# Altium PCB amp.PcbDoc (part 13 of 20) (continued)
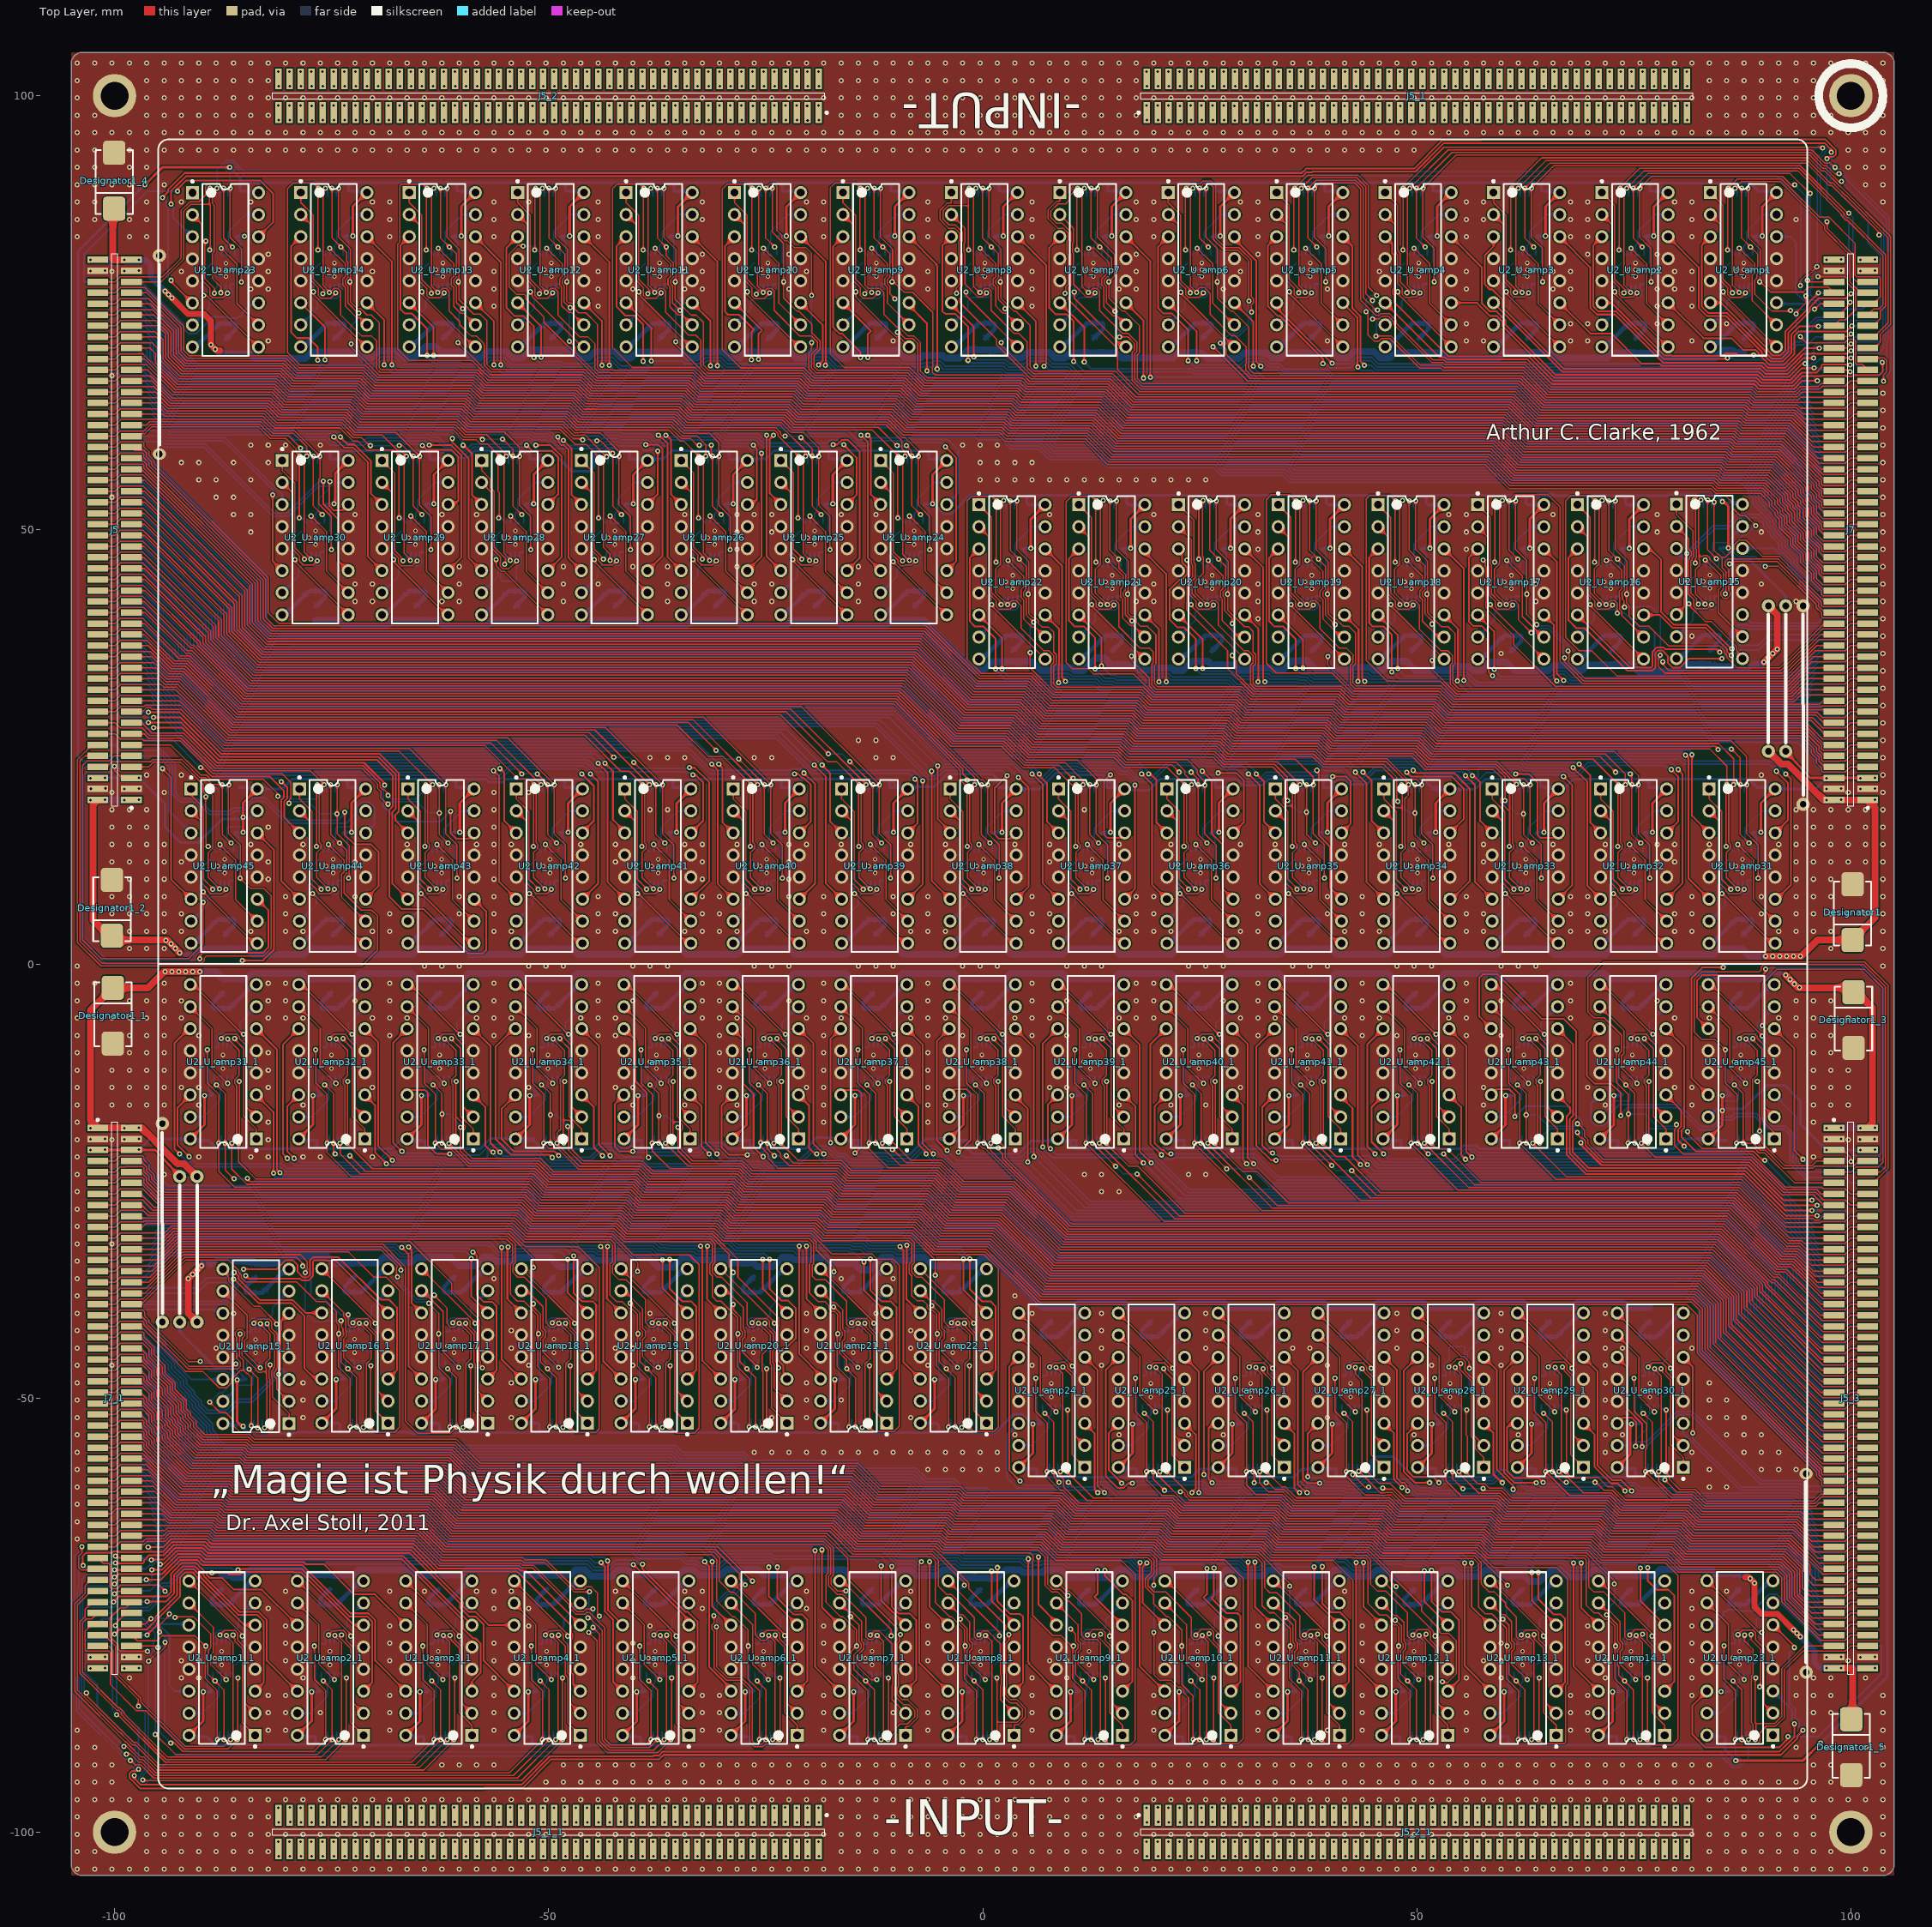
[diagram p0: Top Layer view]
## Nets (pads, with @x,y where several pads share a name; then routed paths per layer and width w, separated by ;. In a path a pad name is that pad's centre, name@x,y a point inside that pad or via, vN(x,y) a via of type N, cw(c..) or ccw(c..) an arc to the next point about the centre after c; other vN are vias at no path point) (continued)
  Bottom Layer w0.15: R1_U_amp11.7@-37.489,88.455 -37.489,89.348 v1(-37.485,89.352) ; v1(-36.469,82.596) -36.215,82.342 U1_U_amp11.13@-36.215,81.605 ; v1(-35.382,71.679) -35.363,71.698 -35.363,76.321 -34.874,76.81 v1(-34.874,75.286) ; v1(34.874,-75.286) 34.874,-76.81 35.363,-76.321 35.363,-71.698 v1(35.382,-71.679) ; U1_U_amp11_1.13@36.215,-81.605 36.215,-82.342 v1(36.469,-82.596) ; v1(37.485,-89.352) 37.489,-89.348 R1_U_amp11_1.7@37.489,-88.455
NetJ7_53: J7.53 J7_1.53 R1_U_amp11.6 R1_U_amp11_1.6 U1_U_amp11.5 U1_U_amp11_1.5 | length 339.2
  Top Layer w0.15: J7_1.53@-101.95,-51.905 -99.938,-51.905 -99.343,-51.31 -96.757,-51.31 -96.037,-52.029 -96.037,-52.451 -96.025,-52.463 -96.025,-52.885 -95.425,-53.485 -95.425,-53.906 -94.825,-54.506 -94.825,-54.928 -94.225,-55.528 -94.225,-55.532 -91.362,-58.395 -86.19,-58.395 -85.612,-58.974 -62.339,-58.974 -59.591,-61.723 -16.124,-61.723 -13.446,-64.401 -4.28,-64.401 -3.572,-65.108 7.365,-65.108 9.158,-66.902 19.671,-66.902 20.821,-68.051 31.652,-68.051 32.487,-68.886 32.487,-71.857 33.071,-72.441 33.884,-72.441 36.514,-75.072 36.514,-77.505 36.822,-77.812 37.257,-77.812 37.625,-77.444 37.789,-77.444 38.526,-78.181 38.526,-89.073 v1(38.247,-89.352) ; v1(-38.247,89.352) -38.526,89.073 -38.526,78.181 -37.789,77.444 -37.625,77.444 -37.257,77.812 -36.822,77.812 -36.514,77.505 -36.514,75.072 -33.884,72.441 -33.071,72.441 -32.487,71.857 -32.487,68.886 -31.652,68.051 -20.821,68.051 -19.671,66.902 -9.158,66.902 -7.365,65.108 3.572,65.108 4.28,64.401 13.446,64.401 16.124,61.723 59.591,61.723 62.339,58.974 85.612,58.974 86.19,58.395 91.362,58.395 94.225,55.532 94.225,55.528 94.825,54.928 94.825,54.506 95.425,53.906 95.425,53.485 96.025,52.885 96.025,52.463 96.037,52.451 96.037,52.029 96.757,51.31 99.343,51.31 99.938,51.905 J7.53@101.95,51.905
  Bottom Layer w0.15: v1(-38.247,89.352) -37.989,89.094 R1_U_amp11.6@-37.989,88.455 ; v1(-37.789,77.338) -37.715,77.413 U1_U_amp11.5@-37.715,78.305 ; U1_U_amp11_1.5@37.715,-78.305 37.715,-77.413 v1(37.789,-77.338) ; R1_U_amp11_1.6@37.989,-88.455 37.989,-89.094 v1(38.247,-89.352)
NetJ7_54: J7.54 J7_1.54 R1_U_amp11.8 R1_U_amp11_1.8 U1_U_amp11.1 U1_U_amp11_1.1 | length 324.8
  Top Layer w0.15: J7_1.54@-98.05,-51.905 -97.008,-51.905 -96.325,-52.588 -96.325,-53.009 -95.725,-53.609 -95.725,-54.03 -95.125,-54.63 -95.125,-55.052 -94.525,-55.652 -94.525,-55.657 -91.486,-58.695 -86.315,-58.695 -85.736,-59.274 -62.464,-59.274 -59.715,-62.023 -16.248,-62.023 -13.57,-64.701 -4.404,-64.701 -3.697,-65.408 7.24,-65.408 9.034,-67.202 19.547,-67.202 20.696,-68.351 31.527,-68.351 32.187,-69.011 32.187,-73.919 32.995,-74.727 33.573,-74.727 35.427,-76.581 v1(35.427,-78.557) 35.352,-78.632 35.352,-82.327 36.739,-83.713 36.739,-89.336 v1(36.723,-89.352) ; v1(-36.723,89.352) -36.739,89.336 -36.739,83.713 -35.352,82.327 -35.352,78.632 v1(-35.427,78.557) -35.427,76.581 -33.573,74.727 -32.995,74.727 -32.187,73.919 -32.187,69.011 -31.527,68.351 -20.696,68.351 -19.547,67.202 -9.034,67.202 -7.24,65.408 3.697,65.408 4.404,64.701 13.57,64.701 16.248,62.023 59.715,62.023 62.464,59.274 85.736,59.274 86.315,58.695 91.486,58.695 94.525,55.657 94.525,55.652 95.125,55.052 95.125,54.63 95.725,54.03 95.725,53.609 96.325,53.009 96.325,52.588 97.008,51.905 J7.54@98.05,51.905
  Bottom Layer w0.15: R1_U_amp11.8@-36.989,88.455 -36.989,88.959 -36.723,89.225 v1(-36.723,89.352) ; U1_U_amp11.1@-35.565,79.205 -35.427,79.068 v1(-35.427,78.557) ; v1(35.427,-78.557) 35.427,-79.068 U1_U_amp11_1.1@35.565,-79.205 ; v1(36.723,-89.352) 36.723,-89.225 36.989,-88.959 R1_U_amp11_1.8@36.989,-88.455
NetJ7_55: J7.55 J7_1.55 R1_U_amp10.5 R1_U_amp10_1.5 U1_U_amp10.9 U1_U_amp10_1.9 | length 344.5
  Top Layer w0.15: J7_1.55@-101.95,-53.175 -99.938,-53.175 -99.343,-52.58 -96.757,-52.58 -96.625,-52.712 -96.625,-53.133 -96.025,-53.733 -96.025,-54.155 -95.425,-54.755 -95.425,-55.176 -94.825,-55.776 -94.825,-55.781 -91.61,-58.995 -86.439,-58.995 -85.86,-59.574 -62.588,-59.574 -59.839,-62.323 -16.372,-62.323 -13.694,-65.001 -4.529,-65.001 -3.821,-65.708 7.116,-65.708 8.91,-67.502 19.423,-67.502 20.572,-68.651 27.884,-68.651 29.992,-70.759 29.992,-89.268 29.435,-89.825 27.017,-89.825 v1(26.544,-89.352) 26.62,-89.276 v1(26.62,-82.24) ; v1(-26.62,82.24) -26.62,89.276 v1(-26.544,89.352) -27.017,89.825 -29.435,89.825 -29.992,89.268 -29.992,70.759 -27.884,68.651 -20.572,68.651 -19.423,67.502 -8.91,67.502 -7.116,65.708 3.821,65.708 4.529,65.001 13.694,65.001 16.372,62.323 59.839,62.323 62.588,59.574 85.86,59.574 86.439,58.995 91.61,58.995 94.825,55.781 94.825,55.776 95.425,55.176 95.425,54.755 96.025,54.155 96.025,53.733 96.625,53.133 96.625,52.712 96.757,52.58 99.343,52.58 99.938,53.175 J7.55@101.95,53.175
  Bottom Layer w0.15: v1(-26.62,82.24) -26.359,82.24 U1_U_amp10.9@-25.724,81.605 ; v1(-26.544,89.352) -25.998,88.807 R1_U_amp10.5@-25.998,88.455 ; U1_U_amp10_1.9@25.724,-81.605 26.359,-82.24 v1(26.62,-82.24) ; R1_U_amp10_1.5@25.998,-88.455 25.998,-88.807 v1(26.544,-89.352)
NetJ7_56: J7.56 J7_1.56 R1_U_amp10.7 R1_U_amp10_1.7 U1_U_amp10.13 U1_U_amp10_1.13 | length 319.5
  Top Layer w0.15: J7_1.56@-98.05,-53.175 -97.008,-53.175 -96.832,-53.35 -96.832,-53.474 -96.757,-53.55 -96.633,-53.55 -96.325,-53.858 -96.325,-54.279 -95.725,-54.879 -95.725,-55.3 -95.125,-55.9 -95.125,-55.905 -91.735,-59.295 -86.563,-59.295 -85.984,-59.874 -62.712,-59.874 -59.964,-62.623 -16.496,-62.623 -13.818,-65.301 -4.653,-65.301 -3.945,-66.008 6.992,-66.008 8.786,-67.802 19.299,-67.802 20.023,-68.526 20.023,-70.376 19.71,-70.688 v1(19.71,-71.577) ; v1(-23.978,82.596) -24.994,83.612 v1(-24.994,89.352) -24.975,89.352 -24.45,89.877 -24.015,89.877 -23.707,89.57 -23.707,84.502 -23.132,83.926 -23.132,83.623 -22.824,83.316 -22.533,83.316 -21.742,82.525 -20.396,82.525 -19.71,81.839 v1(-19.71,76.987) ; v1(-19.71,71.577) -19.71,70.688 -20.023,70.376 -20.023,68.526 -19.299,67.802 -8.786,67.802 -6.992,66.008 3.945,66.008 4.653,65.301 13.818,65.301 16.496,62.623 59.964,62.623 62.712,59.874 85.984,59.874 86.563,59.295 91.735,59.295 95.125,55.905 95.125,55.9 95.725,55.3 95.725,54.879 96.325,54.279 96.325,53.858 96.633,53.55 96.757,53.55 96.832,53.474 96.832,53.35 97.008,53.175 J7.56@98.05,53.175 ; v1(19.71,-76.987) 19.71,-81.839 20.396,-82.525 21.742,-82.525 22.533,-83.316 22.824,-83.316 23.132,-83.623 23.132,-83.926 23.707,-84.502 23.707,-89.57 24.015,-89.877 24.45,-89.877 24.975,-89.352 v1(24.994,-89.352) 24.994,-83.612 v1(23.978,-82.596)
  Bottom Layer w0.15: R1_U_amp10.7@-24.998,88.455 -24.998,89.348 v1(-24.994,89.352) ; v1(-23.978,82.596) -23.724,82.342 U1_U_amp10.13@-23.724,81.605 ; v1(-19.71,71.577) -19.71,76.581 -19.558,76.733 -19.761,76.937 v1(-19.71,76.987) ; v1(19.71,-76.987) 19.761,-76.937 19.558,-76.733 19.71,-76.581 v1(19.71,-71.577) ; U1_U_amp10_1.13@23.724,-81.605 23.724,-82.342 v1(23.978,-82.596) ; v1(24.994,-89.352) 24.998,-89.348 R1_U_amp10_1.7@24.998,-88.455
NetJ7_57: J7.57 J7_1.57 R1_U_amp10.6 R1_U_amp10_1.6 U1_U_amp10.5 U1_U_amp10_1.5 | length 312.8
  Top Layer w0.15: J7_1.57@-101.95,-54.445 -99.987,-54.445 -99.392,-53.85 -96.757,-53.85 -96.625,-53.982 -96.625,-54.403 -96.025,-55.003 -96.025,-55.425 -95.425,-56.025 -95.425,-56.029 -91.859,-59.595 -86.687,-59.595 -86.109,-60.174 -62.836,-60.174 -60.088,-62.923 -16.621,-62.923 -13.943,-65.601 -4.777,-65.601 -4.069,-66.308 6.868,-66.308 8.661,-68.102 19.174,-68.102 19.723,-68.651 19.723,-70.238 19.033,-70.928 19.033,-71.642 19.73,-72.339 21.079,-72.339 24.024,-75.284 24.024,-77.505 24.332,-77.812 24.825,-77.812 25.193,-77.444 25.299,-77.444 25.974,-78.119 25.974,-80.152 25.789,-80.337 25.789,-89.319 v1(25.756,-89.352) ; v1(-25.756,89.352) -25.789,89.319 -25.789,80.337 -25.974,80.152 -25.974,78.119 -25.299,77.444 -25.193,77.444 -24.825,77.812 -24.332,77.812 -24.024,77.505 -24.024,75.284 -21.079,72.339 -19.73,72.339 -19.033,71.642 -19.033,70.928 -19.723,70.238 -19.723,68.651 -19.174,68.102 -8.661,68.102 -6.868,66.308 4.069,66.308 4.777,65.601 13.943,65.601 16.621,62.923 60.088,62.923 62.836,60.174 86.109,60.174 86.687,59.595 91.859,59.595 95.425,56.029 95.425,56.025 96.025,55.425 96.025,55.003 96.625,54.403 96.625,53.982 96.757,53.85 99.392,53.85 99.987,54.445 J7.57@101.95,54.445
  Bottom Layer w0.15: v1(-25.756,89.352) -25.67,89.266 -25.67,88.996 -25.573,88.899 -25.573,88.53 R1_U_amp10.6@-25.498,88.455 ; v1(-25.299,77.338) -25.262,77.376 -25.262,78.268 U1_U_amp10.5@-25.224,78.305 ; U1_U_amp10_1.5@25.224,-78.305 25.262,-78.268 25.262,-77.376 v1(25.299,-77.338) ; R1_U_amp10_1.6@25.498,-88.455 25.573,-88.53 25.573,-88.899 25.67,-88.996 25.67,-89.266 v1(25.756,-89.352)
NetJ7_58: J7.58 J7_1.58 R1_U_amp10.8 R1_U_amp10_1.8 U1_U_amp10.1 U1_U_amp10_1.1 | length 301.8
  Top Layer w0.15: J7_1.58@-98.05,-54.445 -98.88,-54.445 -99.15,-54.715 -99.126,-54.74 -96.713,-54.74 -96.325,-55.128 -96.325,-55.549 -95.725,-56.149 -95.725,-56.154 -91.983,-59.895 -86.812,-59.895 -86.233,-60.474 -62.961,-60.474 -60.212,-63.223 -16.745,-63.223 -14.067,-65.901 -4.901,-65.901 -4.194,-66.608 6.743,-66.608 8.537,-68.402 19.05,-68.402 19.423,-68.775 19.423,-70.114 18.733,-70.804 18.733,-71.767 19.696,-72.73 19.696,-73.714 21.158,-75.175 21.375,-75.175 22.937,-76.737 v1(22.937,-78.557) 22.937,-83.004 24.232,-84.299 v1(24.232,-89.352) ; v1(-24.232,89.352) -24.232,84.299 -22.937,83.004 v1(-22.937,78.557) -22.937,76.737 -21.375,75.175 -21.158,75.175 -19.696,73.714 -19.696,72.73 -18.733,71.767 -18.733,70.804 -19.423,70.114 -19.423,68.775 -19.05,68.402 -8.537,68.402 -6.743,66.608 4.194,66.608 4.901,65.901 14.067,65.901 16.745,63.223 60.212,63.223 62.961,60.474 86.233,60.474 86.812,59.895 91.983,59.895 95.725,56.154 95.725,56.149 96.325,55.549 96.325,55.128 96.713,54.74 99.126,54.74 99.15,54.715 98.88,54.445 J7.58@98.05,54.445
  Bottom Layer w0.15: R1_U_amp10.8@-24.498,88.455 -24.498,88.705 -24.319,88.885 -24.319,89.266 v1(-24.232,89.352) ; U1_U_amp10.1@-23.074,79.205 -22.982,79.205 -22.937,79.16 v1(-22.937,78.557) ; v1(22.937,-78.557) 22.937,-79.16 22.982,-79.205 U1_U_amp10_1.1@23.074,-79.205 ; v1(24.232,-89.352) 24.319,-89.266 24.319,-88.885 24.498,-88.705 R1_U_amp10_1.8@24.498,-88.455
NetJ7_59: J7.59 J7_1.59 R1_U_amp9.5 R1_U_amp9_1.5 U1_U_amp9.9 U1_U_amp9_1.9 | length 317.6
  Top Layer w0.15: J7_1.59@-101.95,-55.715 -99.938,-55.715 -99.343,-55.12 -96.757,-55.12 -96.625,-55.252 -96.625,-55.673 -96.025,-56.273 -96.025,-56.278 -92.107,-60.195 -86.936,-60.195 -86.357,-60.774 -63.085,-60.774 -60.337,-63.523 -16.869,-63.523 -14.191,-66.201 -5.026,-66.201 -4.318,-66.908 6.619,-66.908 8.413,-68.702 15.946,-68.702 17.572,-70.327 17.572,-89.388 17.018,-89.941 14.643,-89.941 v1(14.054,-89.352) 14.13,-89.276 v1(14.13,-82.24) ; v1(-14.13,82.24) -14.13,89.276 v1(-14.054,89.352) -14.643,89.941 -17.018,89.941 -17.572,89.388 -17.572,70.327 -15.946,68.702 -8.413,68.702 -6.619,66.908 4.318,66.908 5.026,66.201 14.191,66.201 16.869,63.523 60.337,63.523 63.085,60.774 86.357,60.774 86.936,60.195 92.107,60.195 96.025,56.278 96.025,56.273 96.625,55.673 96.625,55.252 96.757,55.12 99.343,55.12 99.938,55.715 J7.59@101.95,55.715
  Bottom Layer w0.15: v1(-14.13,82.24) -13.869,82.24 U1_U_amp9.9@-13.234,81.605 ; v1(-14.054,89.352) -13.508,88.807 R1_U_amp9.5@-13.508,88.455 ; U1_U_amp9_1.9@13.234,-81.605 13.869,-82.24 v1(14.13,-82.24) ; R1_U_amp9_1.5@13.508,-88.455 13.508,-88.807 v1(14.054,-89.352)
NetJ7_60: J7.60 J7_1.60 R1_U_amp9.7 R1_U_amp9_1.7 U1_U_amp9.13 U1_U_amp9_1.13 | length 273.7
  Top Layer w0.15: J7_1.60@-98.05,-55.715 -97.008,-55.715 -96.325,-56.398 -96.325,-56.402 -92.232,-60.495 -87.06,-60.495 -86.481,-61.074 -63.209,-61.074 -60.461,-63.823 -16.994,-63.823 -14.316,-66.501 -5.15,-66.501 -4.442,-67.208 6.495,-67.208 7.506,-68.22 7.506,-71.474 8.077,-72.045 8.885,-72.045 8.917,-72.014 9.739,-72.836 v1(9.804,-72.771) ; v1(-12.504,89.352) -12.504,83.612 v1(-11.488,82.596) -10.672,81.78 -10.672,79.148 -10.972,78.848 -10.972,78.34 -10.672,78.04 -10.672,77.169 v1(-10.109,76.606) ; v1(-9.804,72.771) -9.739,72.836 -8.917,72.014 -8.885,72.045 -8.077,72.045 -7.506,71.474 -7.506,68.22 -6.495,67.208 4.442,67.208 5.15,66.501 14.316,66.501 16.994,63.823 60.461,63.823 63.209,61.074 86.481,61.074 87.06,60.495 92.232,60.495 96.325,56.402 96.325,56.398 97.008,55.715 J7.60@98.05,55.715 ; v1(10.109,-76.606) 10.672,-77.169 10.672,-78.04 10.972,-78.34 10.972,-78.848 10.672,-79.148 10.672,-81.78 v1(11.488,-82.596) 12.504,-83.612 v1(12.504,-89.352)
  Bottom Layer w0.15: R1_U_amp9.7@-12.508,88.455 -12.508,89.348 v1(-12.504,89.352) ; v1(-11.488,82.596) -11.234,82.342 U1_U_amp9.13@-11.234,81.605 ; v1(-10.109,76.606) -9.804,76.302 v1(-9.804,72.771) ; v1(9.804,-72.771) 9.804,-76.302 v1(10.109,-76.606) ; U1_U_amp9_1.13@11.234,-81.605 11.234,-82.342 v1(11.488,-82.596) ; v1(12.504,-89.352) 12.508,-89.348 R1_U_amp9_1.7@12.508,-88.455
NetJ7_61: J7.61 J7_1.61 R1_U_amp9.6 R1_U_amp9_1.6 U1_U_amp9.5 U1_U_amp9_1.5 | length 282.9
  Top Layer w0.15: J7_1.61@-101.95,-56.985 -99.938,-56.985 -99.343,-56.39 -96.757,-56.39 -96.625,-56.522 -96.625,-56.526 -92.356,-60.795 -87.184,-60.795 -86.606,-61.374 -63.333,-61.374 -60.585,-64.123 -17.118,-64.123 -14.44,-66.801 -5.274,-66.801 -4.562,-67.513 6.375,-67.513 7.163,-68.301 7.163,-71.555 7.953,-72.345 8.636,-72.345 9.638,-73.347 9.898,-73.347 11.405,-74.854 11.405,-77.375 11.842,-77.812 13.177,-77.812 13.546,-78.181 13.546,-89.073 v1(13.266,-89.352) ; v1(-13.266,89.352) -13.546,89.073 -13.546,78.181 -13.177,77.812 -11.842,77.812 -11.405,77.375 -11.405,74.854 -9.898,73.347 -9.638,73.347 -8.636,72.345 -7.953,72.345 -7.163,71.555 -7.163,68.301 -6.375,67.513 4.562,67.513 5.274,66.801 14.44,66.801 17.118,64.123 60.585,64.123 63.333,61.374 86.606,61.374 87.184,60.795 92.356,60.795 96.625,56.526 96.625,56.522 96.757,56.39 99.343,56.39 99.938,56.985 J7.61@101.95,56.985
  Bottom Layer w0.15: v1(-13.266,89.352) -13.008,89.094 R1_U_amp9.6@-13.008,88.455 ; v1(-12.809,77.338) -12.734,77.413 U1_U_amp9.5@-12.734,78.305 ; U1_U_amp9_1.5@12.734,-78.305 12.734,-77.413 v1(12.809,-77.338) ; R1_U_amp9_1.6@13.008,-88.455 13.008,-89.094 v1(13.266,-89.352)
NetJ7_62: J7.62 J7_1.62 R1_U_amp9.8 R1_U_amp9_1.8 U1_U_amp9.1 U1_U_amp9_1.1 | length 269.3
  Top Layer w0.15: J7_1.62@-98.05,-56.985 -96.591,-56.985 -92.48,-61.095 -87.309,-61.095 -86.73,-61.674 -63.458,-61.674 -60.709,-64.423 -17.242,-64.423 -14.564,-67.101 -5.399,-67.101 -4.681,-67.818 5.467,-67.818 5.783,-68.134 5.783,-68.747 5.749,-68.781 5.749,-75.04 8.077,-77.368 9.042,-77.368 10.231,-78.557 v1(10.447,-78.557) 10.372,-78.632 10.372,-82.327 11.758,-83.713 11.758,-89.336 v1(11.742,-89.352) ; v1(-11.742,89.352) -11.758,89.336 -11.758,83.713 -10.372,82.327 -10.372,78.632 v1(-10.447,78.557) -10.231,78.557 -9.042,77.368 -8.077,77.368 -5.749,75.04 -5.749,68.781 -5.783,68.747 -5.783,68.134 -5.467,67.818 4.681,67.818 5.399,67.101 14.564,67.101 17.242,64.423 60.709,64.423 63.458,61.674 86.73,61.674 87.309,61.095 92.48,61.095 96.591,56.985 J7.62@98.05,56.985
  Bottom Layer w0.15: R1_U_amp9.8@-12.008,88.455 -12.008,88.959 -11.742,89.225 v1(-11.742,89.352) ; U1_U_amp9.1@-10.584,79.205 -10.447,79.068 v1(-10.447,78.557) ; v1(10.447,-78.557) 10.447,-79.068 U1_U_amp9_1.1@10.584,-79.205 ; v1(11.742,-89.352) 11.742,-89.225 12.008,-88.959 R1_U_amp9_1.8@12.008,-88.455
NetJ7_63: J7.63 J7_1.63 R1_U_amp8.5 R1_U_amp8_1.5 U1_U_amp8.9 U1_U_amp8_1.9 | length 275.6
  Top Layer w0.15: J7_1.63@-101.95,-58.255 -99.938,-58.255 -99.343,-57.66 -96.34,-57.66 -92.604,-61.395 -87.433,-61.395 -86.854,-61.974 -63.582,-61.974 -60.834,-64.723 -17.366,-64.723 -14.688,-67.401 -5.523,-67.401 -1.609,-71.315 -1.609,-71.95 2.636,-76.194 2.636,-76.657 2.469,-76.824 2.469,-77.197 2.469,-77.456 2.636,-77.623 2.636,-77.862 2.336,-78.162 2.336,-81.759 2.465,-81.887 2.465,-83.114 2.336,-83.242 2.336,-84.299 3.153,-85.115 3.886,-85.115 4.623,-85.852 4.586,-85.889 4.586,-86.714 3.975,-87.325 1.64,-87.325 ; v1(-1.64,82.24) -1.64,87.325 ; v1(-1.563,89.352) -1.64,89.276 -1.64,87.325 ; v1(1.563,-89.352) 1.64,-89.276 1.64,-87.325 ; v1(1.64,-82.24) 1.64,-87.325 ; J7.63@101.95,58.255 99.938,58.255 99.343,57.66 96.34,57.66 92.604,61.395 87.433,61.395 86.854,61.974 63.582,61.974 60.834,64.723 17.366,64.723 14.688,67.401 5.523,67.401 1.609,71.315 1.609,71.95 -2.636,76.194 -2.636,76.657 -2.469,76.824 -2.469,77.197 -2.469,77.456 -2.636,77.623 -2.636,77.862 -2.336,78.162 -2.336,81.759 -2.465,81.887 -2.465,83.114 -2.336,83.242 -2.336,84.299 -3.153,85.115 -3.886,85.115 -4.623,85.852 -4.586,85.889 -4.586,86.714 -3.975,87.325 -1.64,87.325
  Bottom Layer w0.15: v1(-1.64,82.24) -1.379,82.24 U1_U_amp8.9@-0.744,81.605 ; v1(-1.563,89.352) -1.018,88.807 R1_U_amp8.5@-1.018,88.455 ; U1_U_amp8_1.9@0.744,-81.605 1.379,-82.24 v1(1.64,-82.24) ; R1_U_amp8_1.5@1.018,-88.455 1.018,-88.807 v1(1.563,-89.352)
NetJ7_64: J7.64 J7_1.64 R1_U_amp8.7 R1_U_amp8_1.7 U1_U_amp8.13 U1_U_amp8_1.13 | length 246.5
  Top Layer w0.15: J7_1.64@-98.05,-58.255 -96.169,-58.255 -92.729,-61.695 -87.557,-61.695 -86.978,-62.274 -63.706,-62.274 -60.958,-65.023 -17.491,-65.023 -14.813,-67.701 -5.689,-67.701 -2.134,-71.256 v1(-2.134,-71.577) ; v1(-2.565,-75.463) -2.565,-75.791 -1.818,-76.538 -1.818,-78.04 -1.518,-78.34 -1.518,-78.775 -1.818,-79.075 -1.818,-81.78 v1(-1.002,-82.596) 0.014,-83.612 v1(0.014,-89.352) ; v1(-0.014,89.352) -0.014,83.612 v1(1.002,82.596) 1.818,81.78 1.818,79.075 1.518,78.775 1.518,78.34 1.818,78.04 1.818,76.538 2.565,75.791 v1(2.565,75.463) ; v1(2.134,71.577) 2.134,71.256 5.689,67.701 14.813,67.701 17.491,65.023 60.958,65.023 63.706,62.274 86.978,62.274 87.557,61.695 92.729,61.695 96.169,58.255 J7.64@98.05,58.255
  Bottom Layer w0.15: v1(-2.565,-75.463) -2.692,-75.59 -2.692,-72.136 v1(-2.134,-71.577) ; U1_U_amp8_1.13@-1.256,-81.605 -1.256,-82.342 v1(-1.002,-82.596) ; R1_U_amp8.7@-0.018,88.455 -0.018,89.348 v1(-0.014,89.352) ; v1(0.014,-89.352) 0.018,-89.348 R1_U_amp8_1.7@0.018,-88.455 ; v1(1.002,82.596) 1.256,82.342 U1_U_amp8.13@1.256,81.605 ; v1(2.134,71.577) 2.692,72.136 2.692,75.59 v1(2.565,75.463)
NetJ7_65: J7.65 J7_1.65 R1_U_amp8.6 R1_U_amp8_1.6 U1_U_amp8.5 U1_U_amp8_1.5 | length 256.1
  Top Layer w0.15: J7_1.65@-101.95,-59.525 -99.938,-59.525 -99.343,-58.93 -95.918,-58.93 -92.853,-61.995 -87.681,-61.995 -87.103,-62.574 -63.83,-62.574 -61.082,-65.323 -17.615,-65.323 -14.937,-68.001 -5.813,-68.001 -5.136,-68.678 -5.136,-71.649 -4.149,-72.635 -3.605,-72.635 -0.956,-75.284 -0.956,-77.505 -0.649,-77.812 -0.214,-77.812 0.26,-77.338 v1(0.319,-77.338) ; v1(-0.776,89.352) -1.055,89.073 -1.055,78.049 v1@-0.319,77.313 ; v1(-0.319,77.338) -0.26,77.338 0.214,77.812 0.649,77.812 0.956,77.505 0.956,75.284 3.605,72.635 4.149,72.635 5.136,71.649 5.136,68.678 5.813,68.001 14.937,68.001 17.615,65.323 61.082,65.323 63.83,62.574 87.103,62.574 87.681,61.995 92.853,61.995 95.918,58.93 99.343,58.93 99.938,59.525 J7.65@101.95,59.525 ; v1@0.319,-77.313 1.055,-78.049 1.055,-89.073 v1(0.776,-89.352)
  Bottom Layer w0.15: v1(-0.776,89.352) -0.518,89.094 R1_U_amp8.6@-0.518,88.455 ; v1(-0.319,77.338) -0.244,77.413 U1_U_amp8.5@-0.244,78.305 ; U1_U_amp8_1.5@0.244,-78.305 0.244,-77.413 v1(0.319,-77.338) ; R1_U_amp8_1.6@0.518,-88.455 0.518,-89.094 v1(0.776,-89.352)
NetJ7_66: J7.66 J7_1.66 R1_U_amp8.8 R1_U_amp8_1.8 U1_U_amp8.1 U1_U_amp8_1.1 | length 241.7
  Top Layer w0.15: J7_1.66@-98.05,-59.525 -95.748,-59.525 -92.977,-62.295 -87.806,-62.295 -87.227,-62.874 -63.955,-62.874 -61.206,-65.623 -17.942,-65.623 -15.264,-68.301 -5.938,-68.301 -5.436,-68.803 -5.436,-73.563 -3.823,-75.175 -3.605,-75.175 -2.118,-76.662 -2.118,-78.482 v1(-2.043,-78.557) -2.118,-78.632 -2.118,-82.327 -0.732,-83.713 -0.732,-89.336 v1(-0.748,-89.352) ; v1(0.748,89.352) 0.732,89.336 0.732,83.713 2.118,82.327 2.118,78.632 v1(2.043,78.557) 2.118,78.482 2.118,76.662 3.605,75.175 3.823,75.175 5.436,73.563 5.436,68.803 5.938,68.301 15.264,68.301 17.942,65.623 61.206,65.623 63.955,62.874 87.227,62.874 87.806,62.295 92.977,62.295 95.748,59.525 J7.66@98.05,59.525
  Bottom Layer w0.15: v1(-2.043,-78.557) -2.043,-79.068 U1_U_amp8_1.1@-1.906,-79.205 ; v1(-0.748,-89.352) -0.748,-89.225 -0.482,-88.959 R1_U_amp8_1.8@-0.482,-88.455 ; R1_U_amp8.8@0.482,88.455 0.482,88.959 0.748,89.225 v1(0.748,89.352) ; U1_U_amp8.1@1.906,79.205 2.043,79.068 v1(2.043,78.557)
NetJ7_67: J7.67 J7_1.67 R1_U_amp7.5 R1_U_amp7_1.5 U1_U_amp7.9 U1_U_amp7_1.9 | length 252.3
  Top Layer w0.15: J7_1.67@-101.95,-60.795 -99.938,-60.795 -99.343,-60.2 -95.497,-60.2 -93.101,-62.595 -87.93,-62.595 -87.351,-63.174 -64.079,-63.174 -61.331,-65.923 -18.067,-65.923 -15.524,-68.465 -15.524,-70.861 -9.854,-76.531 -9.854,-76.777 -10.021,-76.944 -10.021,-77.197 -10.021,-77.488 -9.854,-77.655 -9.854,-77.862 -10.154,-78.162 -10.154,-81.759 -10.026,-81.887 -10.026,-83.114 -10.154,-83.242 -10.154,-84.299 -9.117,-85.335 -8.475,-85.335 -7.849,-85.962 -7.849,-86.741 -8.661,-87.554 -9.55,-87.554 -9.931,-87.935 -9.931,-88.357 v1@-10.851,-89.276 ; v1(-10.927,-89.352) v1@-10.851,-89.276 ; v1(-10.851,-82.24) v1@-10.851,-89.276 ; v1(10.851,82.24) v1@10.851,89.276 ; v1(10.927,89.352) v1@10.851,89.276 ; J7.67@101.95,60.795 99.938,60.795 99.343,60.2 95.497,60.2 93.101,62.595 87.93,62.595 87.351,63.174 64.079,63.174 61.331,65.923 18.067,65.923 15.524,68.465 15.524,70.861 9.854,76.531 9.854,76.777 10.021,76.944 10.021,77.197 10.021,77.488 9.854,77.655 9.854,77.862 10.154,78.162 10.154,81.759 10.026,81.887 10.026,83.114 10.154,83.242 10.154,84.299 9.117,85.335 8.475,85.335 7.849,85.962 7.849,86.741 8.661,87.554 9.55,87.554 9.931,87.935 9.931,88.357 v1@10.851,89.276
  Bottom Layer w0.15: U1_U_amp7_1.9@-11.746,-81.605 -11.111,-82.24 v1(-10.851,-82.24) ; R1_U_amp7_1.5@-11.472,-88.455 -11.472,-88.807 v1(-10.927,-89.352) ; v1(10.851,82.24) 11.111,82.24 U1_U_amp7.9@11.746,81.605 ; v1(10.927,89.352) 11.472,88.807 R1_U_amp7.5@11.472,88.455
NetJ7_68: J7.68 J7_1.68 R1_U_amp7.7 R1_U_amp7_1.7 U1_U_amp7.13 U1_U_amp7_1.13 | length 222.9
  Top Layer w0.15: J7_1.68@-98.05,-60.795 -95.326,-60.795 -93.226,-62.895 -88.054,-62.895 -87.475,-63.474 -64.203,-63.474 -61.455,-66.223 -18.191,-66.223 -17.205,-67.208 -17.205,-70.398 -17.474,-70.667 -17.474,-71.474 -16.711,-72.238 -15.773,-72.238 v1(-15.748,-72.212) ; v1(-15.24,-75.184) -14.234,-76.19 -14.234,-78.115 -14.009,-78.34 -14.009,-78.775 -14.864,-79.63 -14.864,-81.224 v1(-13.492,-82.596) -12.476,-83.612 v1(-12.476,-89.352) ; v1(12.476,89.352) 12.476,83.612 v1(13.492,82.596) 14.864,81.224 14.864,79.63 14.009,78.775 14.009,78.34 14.234,78.115 14.234,76.19 v1(15.24,75.184) ; v1(15.748,72.212) 15.773,72.238 16.711,72.238 17.474,71.474 17.474,70.667 17.205,70.398 17.205,67.208 18.191,66.223 61.455,66.223 64.203,63.474 87.475,63.474 88.054,62.895 93.226,62.895 95.326,60.795 J7.68@98.05,60.795
  Bottom Layer w0.15: v1(-15.748,-72.212) -15.748,-72.983 -15.524,-73.207 -15.524,-75.179 -15.367,-75.336 -15.24,-75.209 v1(-15.24,-75.184) ; U1_U_amp7_1.13@-13.746,-81.605 -13.746,-82.342 v1(-13.492,-82.596) ; v1(-12.476,-89.352) -12.472,-89.348 R1_U_amp7_1.7@-12.472,-88.455 ; R1_U_amp7.7@12.472,88.455 12.472,89.348 v1(12.476,89.352) ; v1(13.492,82.596) 13.746,82.342 U1_U_amp7.13@13.746,81.605 ; v1(15.24,75.184) 15.24,75.209 15.367,75.336 15.524,75.179 15.524,73.207 15.748,72.983 v1(15.748,72.212)
NetJ7_69: J7.69 J7_1.69 R1_U_amp7.6 R1_U_amp7_1.6 U1_U_amp7.5 U1_U_amp7_1.5 | length 231.3
  Top Layer w0.15: J7_1.69@-101.95,-62.065 -99.938,-62.065 -99.343,-61.47 -95.075,-61.47 -93.35,-63.195 -88.179,-63.195 -87.6,-63.774 -64.328,-63.774 -61.579,-66.523 -18.315,-66.523 -17.505,-67.332 -17.505,-70.273 -17.774,-70.542 -17.774,-71.599 -16.737,-72.635 -16.095,-72.635 -13.446,-75.284 -13.446,-77.505 -13.139,-77.812 -12.704,-77.812 -12.204,-77.313 -12.171,-77.313 -11.435,-78.049 -11.435,-89.073 v1(-11.714,-89.352) ; v1(11.714,89.352) 11.435,89.073 11.435,78.049 12.171,77.313 12.204,77.313 12.704,77.812 13.139,77.812 13.446,77.505 13.446,75.284 16.095,72.635 16.737,72.635 17.774,71.599 17.774,70.542 17.505,70.273 17.505,67.332 18.315,66.523 61.579,66.523 64.328,63.774 87.6,63.774 88.179,63.195 93.35,63.195 95.075,61.47 99.343,61.47 99.938,62.065 J7.69@101.95,62.065
  Bottom Layer w0.15: U1_U_amp7_1.5@-12.246,-78.305 -12.246,-77.413 v1(-12.171,-77.338) ; R1_U_amp7_1.6@-11.972,-88.455 -11.972,-89.094 v1(-11.714,-89.352) ; v1(11.714,89.352) 11.972,89.094 R1_U_amp7.6@11.972,88.455 ; v1(12.171,77.338) 12.246,77.413 U1_U_amp7.5@12.246,78.305
NetJ7_70: J7.70 J7_1.70 R1_U_amp7.8 R1_U_amp7_1.8 U1_U_amp7.1 U1_U_amp7_1.1 | length 217.8
  Top Layer w0.15: J7_1.70@-98.05,-62.065 -94.905,-62.065 -93.474,-63.495 -88.303,-63.495 -87.724,-64.074 -64.452,-64.074 -61.689,-66.837 -18.425,-66.837 -17.805,-67.457 -17.805,-70.149 -18.074,-70.418 -18.074,-73.493 -16.392,-75.175 -16.095,-75.175 -14.534,-76.737 v1(-14.534,-78.557) -15.164,-79.188 -15.164,-81.772 -13.222,-83.713 -13.222,-89.336 v1(-13.238,-89.352) ; v1(13.238,89.352) 13.222,89.336 13.222,83.713 15.164,81.772 15.164,79.188 v1(14.534,78.557) 14.534,76.737 16.095,75.175 16.392,75.175 18.074,73.493 18.074,70.418 17.805,70.149 17.805,67.457 18.425,66.837 61.689,66.837 64.452,64.074 87.724,64.074 88.303,63.495 93.474,63.495 94.905,62.065 J7.70@98.05,62.065
  Bottom Layer w0.15: v1(-14.534,-78.557) -14.534,-79.068 U1_U_amp7_1.1@-14.396,-79.205 ; v1(-13.238,-89.352) -13.238,-89.225 -12.972,-88.959 R1_U_amp7_1.8@-12.972,-88.455 ; R1_U_amp7.8@12.972,88.455 12.972,88.959 13.238,89.225 v1(13.238,89.352) ; U1_U_amp7.1@14.396,79.205 14.534,79.068 v1(14.534,78.557)
NetJ7_71: J7.71 J7_1.71 R1_U_amp6.5 R1_U_amp6_1.5 U1_U_amp6.9 U1_U_amp6_1.9 | length 233.9
  Top Layer w0.15: J7_1.71@-101.95,-63.335 -100.394,-63.335 -99.799,-62.74 -94.654,-62.74 -93.599,-63.795 -88.427,-63.795 -87.848,-64.374 -64.576,-64.374 -61.813,-67.137 -30.501,-67.137 v1(-26.543,-71.095) ; v1(-30.963,-75.057) -30.958,-75.062 -30.958,-75.935 -31.183,-76.16 -31.183,-76.595 -30.958,-76.82 -30.958,-81.065 -29.518,-82.505 -27.947,-82.505 -26.829,-83.623 -26.829,-89.648 -26.299,-90.177 -25.367,-90.177 -25.067,-89.877 -23.987,-89.877 -23.462,-89.352 v1(-23.417,-89.352) -23.341,-89.276 v1(-23.341,-82.24) ; v1(23.341,82.24) 23.341,89.276 v1(23.417,89.352) 23.462,89.352 23.987,89.877 25.067,89.877 25.367,90.177 26.299,90.177 26.829,89.648 26.829,83.623 27.947,82.505 29.518,82.505 30.958,81.065 30.958,76.82 31.183,76.595 31.183,76.16 30.958,75.935 30.958,75.062 v1(30.963,75.057) ; v1(26.543,71.095) 30.501,67.137 61.813,67.137 64.576,64.374 87.848,64.374 88.427,63.795 93.599,63.795 94.654,62.74 99.799,62.74 100.394,63.335 J7.71@101.95,63.335
  Bottom Layer w0.15: v1(-30.963,-75.057) -30.958,-75.052 -30.958,-73.776 -29.518,-72.335 -28.876,-72.335 -27.881,-71.341 -27.881,-71.284 -27.489,-70.891 -26.746,-70.891 v1(-26.543,-71.095) ; U1_U_amp6_1.9@-24.236,-81.605 -23.601,-82.24 v1(-23.341,-82.24) ; R1_U_amp6_1.5@-23.962,-88.455 -23.962,-88.807 v1(-23.417,-89.352) ; v1(23.341,82.24) 23.601,82.24 U1_U_amp6.9@24.236,81.605 ; v1(23.417,89.352) 23.962,88.807 R1_U_amp6.5@23.962,88.455 ; v1(26.543,71.095) 26.746,70.891 27.489,70.891 27.881,71.284 27.881,71.341 28.876,72.335 29.518,72.335 30.958,73.776 30.958,75.052 v1(30.963,75.057)
NetJ7_72: J7.72 J7_1.72 R1_U_amp6.7 R1_U_amp6_1.7 U1_U_amp6.13 U1_U_amp6_1.13 | length 216.5
  Top Layer w0.15: J7_1.72@-98.05,-63.335 -94.483,-63.335 -93.723,-64.095 -88.551,-64.095 -87.973,-64.674 -64.7,-64.674 -61.938,-67.437 -30.845,-67.437 -28.014,-70.267 -28.014,-70.842 v1(-27.356,-71.501) ; v1(-30.658,-76.378) -30.658,-80.941 -29.393,-82.205 -27.822,-82.205 -26.529,-83.499 -26.529,-89.524 -26.175,-89.877 -25.491,-89.877 v1(-24.966,-89.352) -24.966,-83.612 v1(-25.982,-82.596) ; v1(25.982,82.596) 24.966,83.612 v1(24.966,89.352) 25.491,89.877 26.175,89.877 26.529,89.524 26.529,83.499 27.822,82.205 29.393,82.205 30.658,80.941 v1(30.658,76.378) ; v1(27.356,71.501) 28.014,70.842 28.014,70.267 30.845,67.437 61.938,67.437 64.7,64.674 87.973,64.674 88.551,64.095 93.723,64.095 94.483,63.335 J7.72@98.05,63.335
  Bottom Layer w0.15: v1(-30.658,-76.378) -30.658,-75.495 -30.438,-75.274 -30.438,-74.84 -30.658,-74.619 -30.658,-73.9 -29.393,-72.635 -28.49,-72.635 v1(-27.356,-71.501) ; U1_U_amp6_1.13@-26.236,-81.605 -26.236,-82.342 v1(-25.982,-82.596) ; v1(-24.966,-89.352) -24.962,-89.348 R1_U_amp6_1.7@-24.962,-88.455 ; R1_U_amp6.7@24.962,88.455 24.962,89.348 v1(24.966,89.352) ; v1(25.982,82.596) 26.236,82.342 U1_U_amp6.13@26.236,81.605 ; v1(27.356,71.501) 28.49,72.635 29.393,72.635 30.658,73.9 30.658,74.619 30.438,74.84 30.438,75.274 30.658,75.495 v1(30.658,76.378)